# Allegro board ZDRK-36-DE3-A02-20190729.brd (continued)
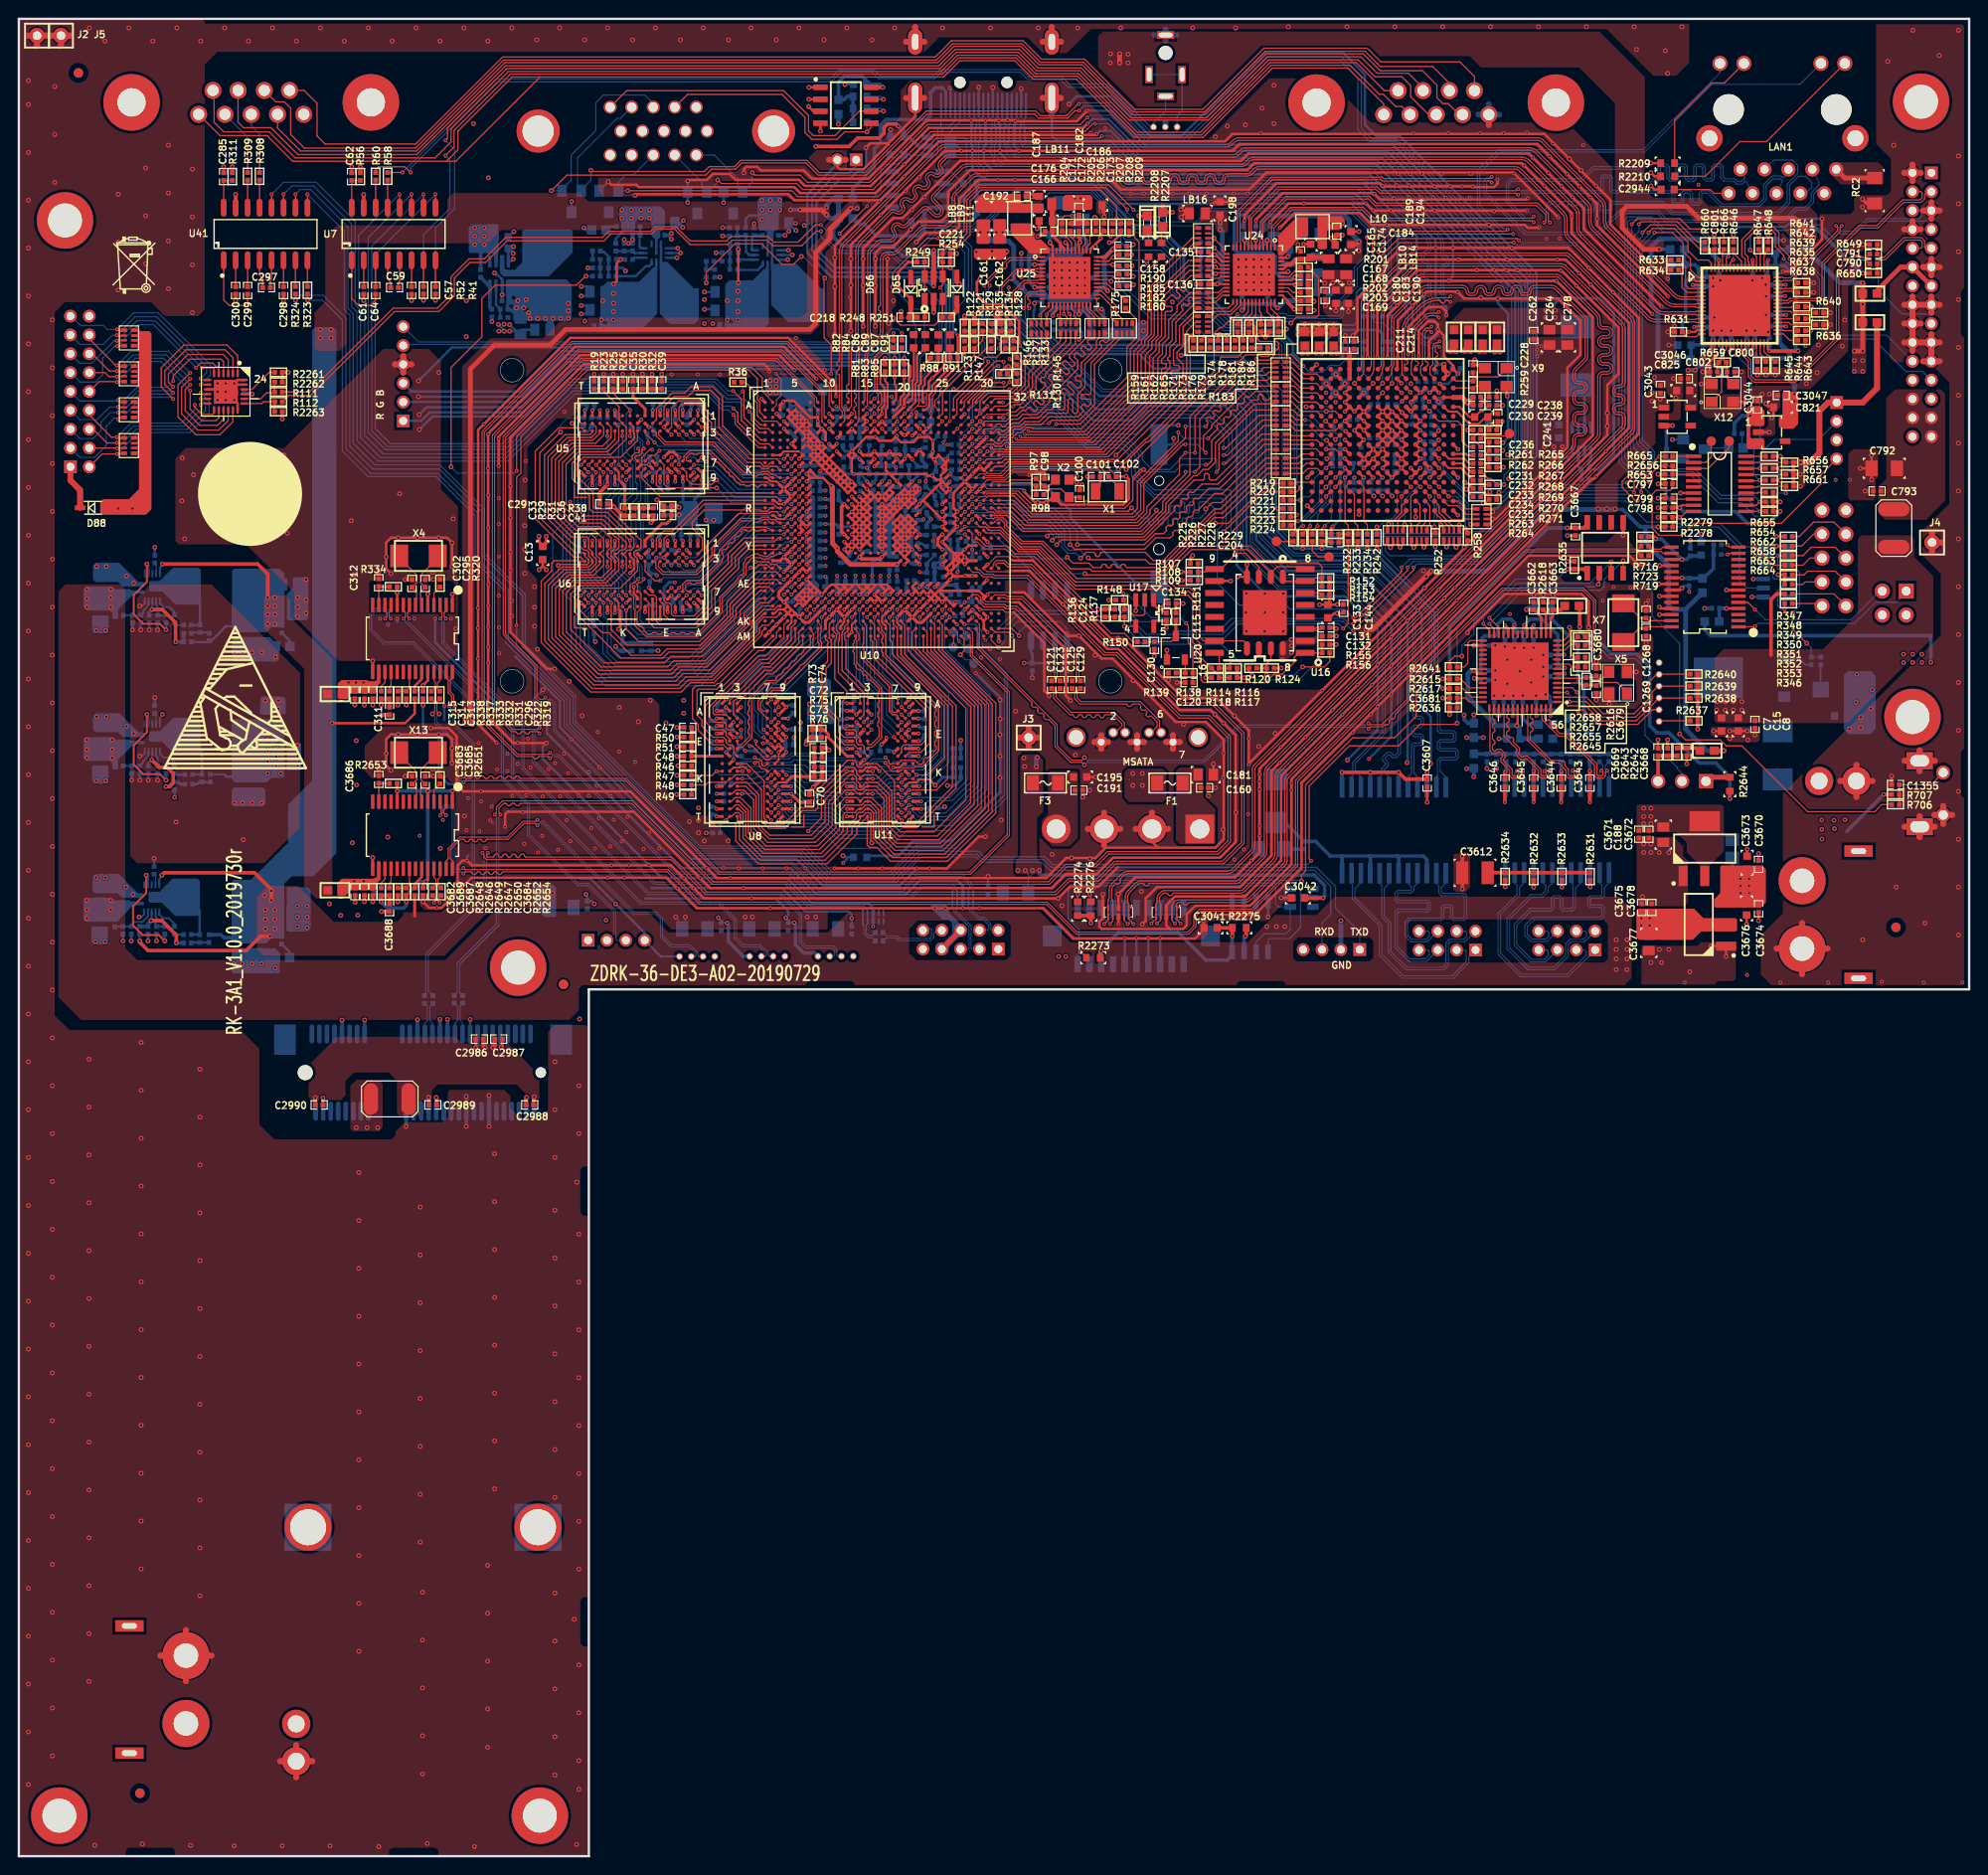
[diagram p0: board, top side]
## Footprints (pads in the part's own frame, mm; a bottom-side part is the same pattern mirrored in y, then rotated) (continued)
CN_SATA_HOST
  round 2.032 hole 1.524: (-10.29,0.5) (2.67,0.5)
  rect 1.041x1.041 hole 0.737: 1(0,0)
  round 1.041 hole 0.737: 2(-1.27,1) 3(-2.54,1) 4(-3.81,0) 5(-5.08,1) 6(-6.35,1) 7(-7.62,0)
CON1X2PD2
  rect 1.35x1.35 hole 0.85: 1(0,0)
  round 1.35 hole 0.85: 2(2,0)
CON1X3P_2_54MM
  rect 1.524x1.524 hole 1.016: 1(-2.54,0)
  round 1.524 hole 1.016: 2(0,0) 3(2.54,0)
CON1X3PD1_25
  round 0.711 hole 0.508: 1(0,0) 2(1.25,0) 3(2.5,0)
CON1X4P_125MM
  round 0.711 hole 0.508: 1(32.5,58.75) 2(33.75,58.75) 3(35,58.75) 4(36.25,58.75)
CON1X4PD2
  rect 1.35x1.35 hole 0.85: 1(0,0)
  round 1.35 hole 0.85: 2(2.007,0) 3(3.988,0) 4(5.994,0)
CON1X6PD1_25
  round 0.711 hole 0.508: 1(0,0) 2(1.25,0) 3(2.5,0) 4(3.75,0) 5(5,0) 6(6.25,0)
CON1X6PD2
  rect 1.35x1.35 hole 0.85: 1(0,0)
  round 1.35 hole 0.85: 2(2,0) 3(4,0) 4(6,0) 5(8,0) 6(10,0)
CON2X2P-254MM
  rect 1.6x1.6 hole 0.94: 1(0,0)
  round 1.6 hole 0.94: 2(0,2.54) 3(2.54,0) 4(2.54,2.54)
CON2X4PD2MM
  rect 1.35x1.35 hole 0.85: 1(0,0)
  round 1.35 hole 0.85: 2(0,2) 3(2,0) 4(2,2) 5(4,0) 6(4,2) 7(6,0) 8(6,2)
CON2X5PD2
  rect 1.35x1.35 hole 0.85: 1(0,0)
  round 1.35 hole 0.85: 2(0,2) 3(2,0) 4(2,2) 5(4,0) 6(4,2) 7(6,0) 8(6,2) 9(8,0) 10(8,2)
CON2X5PD254
  round 1.6 hole 1: 1(-5.08,-1.27) 2(-5.08,1.27) 3(-2.54,-1.27) 4(-2.54,1.27) 5(0,-1.27) 6(0,1.27) 7(2.54,-1.27) 8(2.54,1.27) 9(5.08,-1.27) 10(5.08,1.27)
CON2X9PD2
  rect 1.35x1.35 hole 0.85: 1(-8,-1)
  round 1.35 hole 0.85: 2(-8,1) 3(-6,-1) 4(-6,1) 5(-4,-1) 6(-4,1) 7(-2,-1) 8(-2,1) 9(0,-1) 10(0,1) 11(2,-1) 12(2,1) 13(4,-1) 14(4,1) 15(6,-1) 16(6,1) 17(8,-1) 18(8,1)
CON_DIP_PJ2010B
  round 1.5 hole 1.5 unplated: (0,0)
  rect 1.8x0.8 hole 1.5x0.5: 1(2.3,-1.75) 3(2.3,1.75)
  rect 0.8x1.8 hole 0.5x1.5: 2(4.6,0) 6(-1.9,0)
CR1220
  rect 3.52x1.87 smd: 1(7.75,0)
  rect 4.32x1.82 smd: 2(-7.35,0)
D-PACK
  rect 1.1x1.3 smd: 1(-2,-7) 3(2,-7)
  rect 4.32x5.21 smd: 2(0,0)
DB15-3RF-A
  round 1.372 hole 1.016: 1(0,0) 2(-2.286,0) 3(-4.572,0) 4(-6.858,0) 5(-9.144,0) 6(1.143,-2.54) 7(-1.143,-2.54) 8(-3.429,-2.54) 9(-5.715,-2.54) 10(-8.001,-2.54) 11(0,-5.08) 12(-2.286,-5.08) 13(-4.572,-5.08) 14(-6.858,-5.08) 15(-9.144,-5.08)
  round 4.572 hole 3.302: 16(-16.789,-2.54) 17(8.204,-2.54)
DSUB9_MALE_90
  round 1.8 hole 1.2: 1(5.58,-1.27) 2(2.79,-1.27) 3(0,-1.27) 4(-2.79,-1.27) 5(-5.58,-1.27) 6(4.06,1.27) 7(1.395,1.27) 8(-1.395,1.27) 9(-4.06,1.27)
  round 6 hole 3: 10(-12.7,0) 11(12.7,0)
HSL1008
  rect 0.94x1.905 smd: 1(-1.029,0) 2(1.029,0)
HSOD323A
  rect 1.118x0.508 smd: 1(1.372,0) 2(-1.372,0)
HSX2-0302
  rect 1.016x1.778 smd: 1(-1.25,0) 2(1.25,0)
HSX4-0302B
  rect 1.067x0.965 smd: 1(-0.927,-0.727) 2(0.927,-0.727) 3(0.927,0.727) 4(-0.927,0.727)
ID-BOARD
  round 1.016 smd: 1(0,0)
LB0603
  rect 0.94x0.889 smd: 1(-0.762,0) 2(0.762,0)
LB0805
  rect 1.346x1.448 smd: 1(-0.973,0) 2(0.973,0)
LED0603
  rect 1x1 smd: A(0.762,0) C(-0.762,0)
LQFN65_0_4
  rect 0.2x0.8 smd: 1(-3,-4) 2(-2.6,-4) 3(-2.2,-4) 4(-1.8,-4) 5(-1.4,-4) 6(-1,-4) 7(-0.6,-4) 8(-0.2,-4) 9(0.2,-4) 10(0.6,-4) 11(1,-4) 12(1.4,-4) 13(1.8,-4) 14(2.2,-4) 15(2.6,-4) 16(3,-4) 33(3,4) 34(2.6,4) 35(2.2,4) 36(1.8,4) 37(1.4,4) 38(1,4) 39(0.6,4) 40(0.2,4) 41(-0.2,4) 42(-0.6,4) 43(-1,4) 44(-1.4,4) 45(-1.8,4) 46(-2.2,4) 47(-2.6,4) 48(-3,4)
  rect 0.8x0.2 smd: 17(4,-3) 18(4,-2.6) 19(4,-2.2) 20(4,-1.8) 21(4,-1.4) 22(4,-1) 23(4,-0.6) 24(4,-0.2) 25(4,0.2) 26(4,0.6) 27(4,1) 28(4,1.4) 29(4,1.8) 30(4,2.2) 31(4,2.6) 32(4,3) 49(-4,3) 50(-4,2.6) 51(-4,2.2) 52(-4,1.8) 53(-4,1.4) 54(-4,1) 55(-4,0.6) 56(-4,0.2) 57(-4,-0.2) 58(-4,-0.6) 59(-4,-1) 60(-4,-1.4) 61(-4,-1.8) 62(-4,-2.2) 63(-4,-2.6) 64(-4,-3)
  rect 6.5x6.5 smd: 65(0,0)
MARK
  round 1.016 smd: 1(0,0)
MINIPCIE-HT
  round 1.6 hole 1.6 unplated: (-12.5,0)
  round 1.118 hole 1.118 unplated: (12.5,0)
  oval 0.508x2.032 smd: 1(-11.8,-4.1) 2(-11.4,4.1) 3(-11,-4.1) 4(-10.6,4.1) 5(-10.2,-4.1) 6(-9.8,4.1) 7(-9.4,-4.1) 8(-9,4.1) 9(-8.6,-4.1) 10(-8.2,4.1) 11(-7.8,-4.1) 12(-7.4,4.1) 13(-7,-4.1) 14(-6.6,4.1) 15(-6.2,-4.1) 16(-5.8,4.1) 17(-2.2,-4.1) 18(-1.8,4.1) 19(-1.4,-4.1) 20(-1,4.1) 21(-0.6,-4.1) 22(-0.2,4.1) 23(0.2,-4.1) 24(0.6,4.1) 25(1,-4.1) 26(1.4,4.1) 27(1.8,-4.1) 28(2.2,4.1) 29(2.6,-4.1) 30(3,4.1) 31(3.4,-4.1) 32(3.8,4.1) 33(4.2,-4.1) 34(4.6,4.1) 35(5,-4.1) 36(5.4,4.1) 37(5.8,-4.1) 38(6.2,4.1) 39(6.6,-4.1) 40(7,4.1) 41(7.4,-4.1) 42(7.8,4.1) 43(8.2,-4.1) 44(8.6,4.1) 45(9,-4.1) 46(9.4,4.1) 47(9.8,-4.1) 48(10.2,4.1) 49(10.6,-4.1) 50(11,4.1) 51(11.4,-4.1) 52(11.8,4.1)
  round 5 hole 3.81: H3(-12.2,48.25) H4(12.2,48.25)
  rect 2.311x3.2 smd: P1(-14.65,-3.5) P2(14.65,-3.5)
MLF48A-040-0606L
  rect 0.203x0.61 smd: 1(-2.2,-2.879) 2(-1.8,-2.879) 3(-1.4,-2.879) 4(-1,-2.879) 5(-0.6,-2.879) 6(-0.2,-2.879) 7(0.2,-2.879) 8(0.6,-2.879) 9(1,-2.879) 10(1.4,-2.879) 11(1.8,-2.879) 12(2.2,-2.879) 25(2.2,2.879) 26(1.8,2.879) 27(1.4,2.879) 28(1,2.879) 29(0.6,2.879) 30(0.2,2.879) 31(-0.2,2.879) 32(-0.6,2.879) 33(-1,2.879) 34(-1.4,2.879) 35(-1.8,2.879) 36(-2.2,2.879)
  rect 0.61x0.203 smd: 13(2.879,-2.2) 14(2.879,-1.8) 15(2.879,-1.4) 16(2.879,-1) 17(2.879,-0.6) 18(2.879,-0.2) 19(2.879,0.2) 20(2.879,0.6) 21(2.879,1) 22(2.879,1.4) 23(2.879,1.8) 24(2.879,2.2) 37(-2.879,2.2) 38(-2.879,1.8) 39(-2.879,1.4) 40(-2.879,1) 41(-2.879,0.6) 42(-2.879,0.2) 43(-2.879,-0.2) 44(-2.879,-0.6) 45(-2.879,-1) 46(-2.879,-1.4) 47(-2.879,-1.8) 48(-2.879,-2.2)
  rect 4.445x4.445 smd: 49(0,0)
MOLEX_47151
  round 1.219 hole 1.219 unplated: (-2.5,2.096) (2.5,2.096)
  oval 0.254x2.667 smd: 1(4.5,4.508) 2(4,4.508) 3(3.5,4.508) 4(3,4.508) 5(2.5,4.508) 6(2,4.508) 7(1.5,4.508) 8(1,4.508) 9(0.5,4.508) 10(0,4.508) 11(-0.5,4.508) 12(-1,4.508) 13(-1.5,4.508) 14(-2,4.508) 15(-2.5,4.508) 16(-3,4.508) 17(-3.5,4.508) 18(-4,4.508) 19(-4.5,4.508)
  oval 1.524x3.302 hole 0.711x2.718: 20(-7.25,3.746) 21(7.25,3.746)
  oval 1.524x2.718 hole 0.711x1.702: 22(-7.25,-2.214) 23(7.25,-2.214)
PH-4P
  rect 1.35x1.35 hole 0.85: 1(0,0)
  round 1.35 hole 0.85: 2(2,0) 3(4,0) 4(6,0)
PHD-30P
  rect 1.35x1.35 hole 0.85: 1(-14,-1)
  round 1.35 hole 0.85: 2(-14,1) 3(-12,-1) 4(-12,1) 5(-10,-1) 6(-10,1) 7(-8,-1) 8(-8,1) 9(-6,-1) 10(-6,1) 11(-4,-1) 12(-4,1) 13(-2,-1) 14(-2,1) 15(0,-1) 16(0,1) 17(2,-1) 18(2,1) 19(4,-1) 20(4,1) 21(6,-1) 22(6,1) 23(8,-1) 24(8,1) 25(10,-1) 26(10,1) 27(12,-1) 28(12,1) 29(14,-1) 30(14,1)
QFN12-050-0302A
  rect 0.7x0.25 smd: 1(-0.95,0.5) 2(-0.95,0) 3(-0.95,-0.5) 7(0.95,-0.5) 8(0.95,0) 9(0.95,0.5)
  rect 0.25x0.9 smd: 4(-0.5,-1.35) 5(0,-1.35) 6(0.5,-1.35) 10(0.5,1.35) 11(0,1.35) 12(-0.5,1.35)
  rect 0.4x0.25 smd: 13(0,0)
QFN16-8765
  rect 0.762x0.203 smd: 1(-1.25,0.525) 2(-1.25,-0.175) 8(1.25,-0.525) 9(1.25,0.175)
  rect 0.203x0.762 smd: 3(-0.8,-1.45) 4(-0.4,-1.45) 5(0,-1.45) 6(0.4,-1.45) 7(0.8,-1.45) 10(0.8,1.45) 11(0.4,1.45) 12(0,1.45) 13(-0.4,1.45) 14(-0.8,1.45)
  rect 0.66x0.203 smd: 15(0,0.165) 16(0,-0.435)
QFN24G
  oval 0.254x0.813 smd: 1(-1.25,-1.937) 2(-0.75,-1.937) 3(-0.25,-1.937) 4(0.25,-1.937) 5(0.75,-1.937) 6(1.25,-1.937) 13(1.25,1.937) 14(0.75,1.937) 15(0.25,1.937) 16(-0.25,1.937) 17(-0.75,1.937) 18(-1.25,1.937)
  oval 0.813x0.254 smd: 7(1.937,-1.25) 8(1.937,-0.75) 9(1.937,-0.25) 10(1.937,0.25) 11(1.937,0.75) 12(1.937,1.25) 19(-1.937,1.25) 20(-1.937,0.75) 21(-1.937,0.25) 22(-1.937,-0.25) 23(-1.937,-0.75) 24(-1.937,-1.25)
  rect 2.54x2.54 smd: 25(0,0)
QFN57C_1H10
  oval 0.889x0.254 smd: 1(-3.937,3.25) 2(-3.937,2.75) 3(-3.937,2.25) 4(-3.937,1.75) 5(-3.937,1.25) 6(-3.937,0.75) 7(-3.937,0.25) 8(-3.937,-0.25) 9(-3.937,-0.75) 10(-3.937,-1.25) 11(-3.937,-1.75) 12(-3.937,-2.25) 13(-3.937,-2.75) 14(-3.937,-3.25) 29(3.937,-3.25) 30(3.937,-2.75) 31(3.937,-2.25) 32(3.937,-1.75) 33(3.937,-1.25) 34(3.937,-0.75) 35(3.937,-0.25) 36(3.937,0.25) 37(3.937,0.75) 38(3.937,1.25) 39(3.937,1.75) 40(3.937,2.25) 41(3.937,2.75) 42(3.937,3.25)
  oval 0.254x0.889 smd: 15(-3.25,-3.937) 16(-2.75,-3.937) 17(-2.25,-3.937) 18(-1.75,-3.937) 19(-1.25,-3.937) 20(-0.75,-3.937) 21(-0.25,-3.937) 22(0.25,-3.937) 23(0.75,-3.937) 24(1.25,-3.937) 25(1.75,-3.937) 26(2.25,-3.937) 27(2.75,-3.937) 28(3.25,-3.937) 43(3.25,3.937) 44(2.75,3.937) 45(2.25,3.937) 46(1.75,3.937) 47(1.25,3.937) 48(0.75,3.937) 49(0.25,3.937) 50(-0.25,3.937) 51(-0.75,3.937) 52(-1.25,3.937) 53(-1.75,3.937) 54(-2.25,3.937) 55(-2.75,3.937) 56(-3.25,3.937)
  rect 6.096x6.096 smd: 57(0,0)
RPAK8-10X25-28V
  rect 0.406x0.635 smd: 1(-0.823,-0.521) 4(0.823,-0.521) 5(0.823,0.521) 8(-0.823,0.521)
  rect 0.254x0.635 smd: 2(-0.249,-0.521) 3(0.249,-0.521) 6(0.249,0.521) 7(-0.249,0.521)
SC0402
  rect 0.508x0.508 smd: 1(-0.406,0) 2(0.406,0)
SC0603
  rect 0.762x0.813 smd: 1(-0.699,0) 2(0.699,0)
SC0805
  rect 0.991x1.27 smd: 1(-0.813,0) 2(0.813,0)
SC1206
  rect 1.295x1.651 smd: 1(-1.346,0) 2(1.346,0)
SC1210
  rect 1.295x2.413 smd: 1(-1.346,0) 2(1.346,0)
SD1710A
  rect 1.727x1.676 smd: 1(-1.93,0) 2(1.93,0)
SD1714D
  rect 2.286x2.286 smd: 1(-2.286,0) 2(2.286,0)
SF1206
  rect 1.295x1.651 smd: 1(-1.346,0) 2(1.346,0)
SF1812
  oval 1.524x3.353 smd: 1(-2,0) 2(2,0)
SF6127
  rect 2.286x3.175 smd: 1(-2.54,0) 2(2.54,0)
SIP-1P
  round 1.651 hole 0.914: 1(0,0)
SIP-4P-200
  rect 3.048x3.048 hole 2.032: 1(-7.62,0.127)
  round 3.048 hole 2.032: 2(-2.54,0.127) 3(2.54,0.127) 4(7.62,0.127)
SL0402
  rect 0.483x0.508 smd: 1(-0.394,0) 2(0.394,0)
SL0603
  rect 0.94x0.889 smd: 1(-0.762,0) 2(0.762,0)
SL0805
  rect 0.94x1.27 smd: 1(-0.851,0) 2(0.851,0)
SLP2710P8
  rect 0.2x0.675 smd: 1(-1.1,-0.437) 2(-0.6,-0.437) 3(0.6,-0.437) 4(1.1,-0.437) 5(1.1,0.437) 6(0.6,0.437) 7(-0.6,0.437) 8(-1.1,0.437)
  rect 0.4x0.675 smd: 9(0,-0.437) 10(0,0.437)
SMT2X10P-125MM
  rect 2x2.2 smd: (-5.35,0) (11.43,0)
  rect 0.7x1.7 smd: 1(-2.5,3) 2(-2.5,-3) 3(-1.25,3) 4(-1.25,-3) 5(0,3) 6(0,-3) 7(1.25,3) 8(1.25,-3) 9(2.5,3) 10(2.5,-3) 11(3.75,3) 12(3.75,-3) 13(5,3) 14(5,-3) 15(6.25,3) 16(6.25,-3) 17(7.5,3) 18(7.5,-3) 19(8.75,3) 20(8.75,-3)
SO8
  oval 2.032x0.66 smd: 1(-2.667,1.905) 2(-2.667,0.635) 3(-2.667,-0.635) 4(-2.667,-1.905) 5(2.667,-1.905) 6(2.667,-0.635) 7(2.667,0.635) 8(2.667,1.905)
SOP8
  rect 1.55x0.6 smd: 1(-2.7,1.905) 2(-2.7,0.635) 3(-2.7,-0.635) 4(-2.7,-1.905) 5(2.7,-1.905) 6(2.7,-0.635) 7(2.7,0.635) 8(2.7,1.905)
SOP16
  oval 1.905x0.61 smd: 1(-2.54,5.08) 2(-2.54,3.81) 3(-2.54,2.54) 4(-2.54,1.27) 5(-2.54,0) 6(-2.54,-1.27) 7(-2.54,-2.54) 8(-2.54,-3.81) 9(3.048,-3.81) 10(3.048,-2.54) 11(3.048,-1.27) 12(3.048,0) 13(3.048,1.27) 14(3.048,2.54) 15(3.048,3.81) 16(3.048,5.08)
SOP16-50-300A
  rect 0.635x1.981 smd: 1(-4.445,-4.813) 2(-3.175,-4.813) 3(-1.905,-4.813) 4(-0.635,-4.813) 5(0.635,-4.813) 6(1.905,-4.813) 7(3.175,-4.813) 8(4.445,-4.813) 9(4.445,4.813) 10(3.175,4.813) 11(1.905,4.813) 12(0.635,4.813) 13(-0.635,4.813) 14(-1.905,4.813) 15(-3.175,4.813) 16(-4.445,4.813)
SOP28
  rect 0.356x1.524 smd: 1(-4.225,-3.556) 2(-3.575,-3.556) 3(-2.925,-3.556) 4(-2.275,-3.556) 5(-1.625,-3.556) 6(-0.975,-3.556) 7(-0.325,-3.556) 8(0.325,-3.556) 9(0.975,-3.556) 10(1.625,-3.556) 11(2.275,-3.556) 12(2.925,-3.556) 13(3.575,-3.556) 14(4.225,-3.556) 15(4.225,3.556) 16(3.575,3.556) 17(2.925,3.556) 18(2.275,3.556) 19(1.625,3.556) 20(0.975,3.556) 21(0.325,3.556) 22(-0.32,3.556) 23(-0.975,3.556) 24(-1.625,3.556) 25(-2.275,3.556) 26(-2.925,3.556) 27(-3.575,3.556) 28(-4.225,3.556)
SOT23
  rect 1.016x1.27 smd: 1(-1.016,-1.143) 2(1.016,-1.143) 3(0,1.143)
SOT23-5
  rect 0.61x1.118 smd: 1(-1,-1.4) 2(-0.05,-1.4) 3(0.9,-1.4) 4(0.9,1.45) 5(-1,1.45)
SOT23-5B
  rect 0.508x1.422 smd: 1(-0.953,-1.397) 2(0,-1.397) 3(0.953,-1.397) 4(0.953,1.397) 5(-0.953,1.397)
SOT23-6L
  rect 0.635x1.27 smd: 1(-0.95,-1.2) 2(0,-1.2) 3(0.95,-1.2) 4(0.95,1.2) 5(0,1.2) 6(-0.95,1.2)
SOT23B
  rect 0.66x1.118 smd: 1(-0.95,-1.251) 2(0.95,-1.251) 3(0,1.251)
SOT-223
  rect 2.15x0.95 smd: 1(-2.9,2.3) 2(-2.9,0) 3(-2.9,-2.3)
  rect 2.15x3.25 smd: 4(2.9,0)
SPL0707G
  rect 2.489x3.404 smd: 1(-3.094,0) 2(3.094,0)
SR0402
  rect 0.508x0.508 smd: 1(-0.406,0) 2(0.406,0)
SR0603
  rect 0.711x0.813 smd: 1(-0.737,0) 2(0.737,0)
SR1206
  rect 1.295x1.6 smd: 1(-1.346,0) 2(1.346,0)
STFM24-40-280
  rect 0.508x2.184 smd: 1(-5.5,-4.56) 2(-4.5,-4.56) 3(-3.5,-4.56) 4(-2.5,-4.56) 5(-1.5,-4.56) 6(-0.5,-4.56) 7(0.5,-4.56) 8(1.5,-4.56) 9(2.5,-4.56) 10(3.5,-4.56) 11(4.5,-4.56) 12(5.5,-4.56) 13(5.5,4.56) 14(4.5,4.56) 15(3.5,4.56) 16(2.5,4.56) 17(1.5,4.56) 18(0.5,4.56) 19(-0.5,4.56) 20(-1.5,4.56) 21(-2.5,4.56) 22(-3.5,4.56) 23(-4.5,4.56) 24(-5.5,4.56)
SW_90
  round 1.5 hole 1: 1(1.5,2.25) 2(1.5,-2.25)
  rect 2.8x1.8 hole 2x1.2: 3(-1,3.5) 4(-1,-3.5)
TH-CN-254X254P-14N-HR911130C1
  round 3.25 hole 3.25 unplated: (-3.82,-3.81) (7.61,-3.81)
  round 1.5 hole 0.9: 1(-3.82,5.08) 2(-2.55,2.54) 3(-1.28,5.08) 4(-0.01,2.54) 5(1.26,5.08) 6(2.53,2.54) 7(3.8,5.08) 8(5.07,2.54) 9(6.34,5.08) 10(7.61,2.54)
  round 1.6 hole 1.1: 11(-4.73,-8.71) 12(-2.19,-8.71) 13(5.98,-8.71) 14(8.52,-8.71)
  round 2.8 hole 1.7: E1(-5.85,-0.76) E2(9.64,-0.76)
TP24-SMD
  round 0.61 smd: 1(0,0)
TSOT23-8
  rect 0.356x1.27 smd: 1(-0.975,-1.275) 2(-0.325,-1.275) 3(0.325,-1.275) 4(0.975,-1.275) 5(0.975,1.275) 6(0.325,1.275) 7(-0.325,1.275) 8(-0.975,1.275)
TSSOP20
  rect 1.651x0.356 smd: 1(-2.781,2.925) 2(-2.781,2.275) 3(-2.781,1.625) 4(-2.781,0.975) 5(-2.781,0.325) 6(-2.781,-0.325) 7(-2.781,-0.975) 8(-2.781,-1.625) 9(-2.781,-2.275) 10(-2.781,-2.925) 11(2.781,-2.925) 12(2.781,-2.275) 13(2.781,-1.625) 14(2.781,-0.975) 15(2.781,-0.325) 16(2.781,0.325) 17(2.781,0.975) 18(2.781,1.625) 19(2.781,2.275) 20(2.781,2.925)
unnamed#2
  round 1.016 smd: 1(0,0)
VH-2A
  round 3 hole 1.8: 1(-7.92,0) 2(-3.96,0)
WSON8-MX25L12835ZN
  oval 0.635x1.524 smd: 1(-1.905,-3.8) 2(-0.635,-3.8) 3(0.635,-3.8) 4(1.905,-3.8) 5(1.905,3.8) 6(0.635,3.8) 7(-0.635,3.8) 8(-1.905,3.8)
  rect 4.648x4.75 smd: 9(0,0)
XT60PW-M
  rect 1.2x3 hole 0.6x1.6: (1,8) (14.5,8)
  round 5 hole 2.6: 1(4.15,14) 2(11.35,14)
XT3225
  rect 1.3x1.1 smd: 1(-1.15,-0.95) 2(1.15,-0.95) 3(1.15,0.95) 4(-1.15,0.95)
ZDRK3
  round 6 hole 3.6: 1(4.3,4.3) 2(55.3,4.3) 3(53,94.3) 4(4.9,173.6) 5(201,120.9) 6(201.9,186.2)

## Nets
1V5: C9.1(A) C13.1(A) C17.1(A) C20.1(A) C29.1(A) C36.1(A) C39.1(A) C47.1(A) C70.1(A) C72.1(A) C352.1(A) C365.1(A) C375.1(A) C376.1(A) C383.1(A) C396.1(A) C400.1(A) C401.1(A) C407.1(A) C416.1(A) C417.1(A) C419.1(A) C420.1(A) C421.1(A) C422.1(A) C426.1(A) C429.1(A) C430.1(A) C431.1(A) C433.1(A) C437.1(A) C438.1(A) C440.1(A) C445.1(A) C446.1(A) C447.1(A) C448.1(A) C449.1(A) C450.1(A) C451.1(A) C452.1(A) C453.1(A) C454.1(A) C458.1(A) C460.1(A) C461.1(A) C462.1(A) C464.1(A) C467.1(A) C468.1(A) C469.1(A) C470.1(A) C471.1(A) C472.1(A) C474.1(A) C475.1(A) C476.1(A) C477.1(A) C478.1(A) C479.1(A) C480.1(A) C481.1(A) C482.1(A) C483.1(A) C484.1(A) C485.1(A) C486.1(A) C487.1(A) C488.1(A) C489.1(A) C490.1(A) C491.1(A) C492.1(A) C493.1(A) C494.1(A) C495.1(A) C496.1(A) C497.1(A) C498.1(A) C499.1(A) C500.1(A) C502.1(A) C503.1(A) C504.1(A) L1.2(B) R12.2(B) R19.1(A) R26.1(A) R31.1(A) R32.1(A) R46.1(A) R49.1(A) R50.1(A) R75.1(A) R384.1(A) R403.1(A) R407.1(A) R408.1(A) R409.1(A) R414.1(A) U3.5(OUT) U5.A1(VDDQ1) U5.A8(VDDQ2) U5.B2(VDD1) U5.C1(VDDQ3) U5.C9(VDDQ4) U5.D2(VDDQ5) U5.D9(VDD2) U5.E9(VDDQ6) U5.F1(VDDQ7) U5.G7(VDD3) U5.H2(VDDQ8) U5.H9(VDDQ9) U5.K2(VDD4) U5.K8(VDD5) U5.N1(VDD6) U5.N9(VDD7) U5.R1(VDD8) U5.R9(VDD9) U6.A1(VDDQ1) U6.A8(VDDQ2) U6.B2(VDD1) U6.C1(VDDQ3) U6.C9(VDDQ4) U6.D2(VDDQ5) U6.D9(VDD2) U6.E9(VDDQ6) U6.F1(VDDQ7) U6.G7(VDD3) U6.H2(VDDQ8) U6.H9(VDDQ9) U6.K2(VDD4) U6.K8(VDD5) U6.N1(VDD6) U6.N9(VDD7) U6.R1(VDD8) U6.R9(VDD9) U8.A1(VDDQ1) U8.A8(VDDQ2) U8.B2(VDD1) U8.C1(VDDQ3) U8.C9(VDDQ4) U8.D2(VDDQ5) U8.D9(VDD2) U8.E9(VDDQ6) U8.F1(VDDQ7) U8.G7(VDD3) U8.H2(VDDQ8) U8.H9(VDDQ9) U8.K2(VDD4) U8.K8(VDD5) U8.N1(VDD6) U8.N9(VDD7) U8.R1(VDD8) U8.R9(VDD9) U10.AA7(VDDIO_DDR_6) U10.AB7(VDDIO_DDR_1) U10.AD7(VDDIO_DDR_7) U10.AE7(VDDIO_DDR_8) U10.AF6(VDDIO_DDR_9) U10.AF7(VDDIO_DDR_10) U10.AF8(VDDIO_DDR_11) U10.AF9(VDDIO_DDR_12) U10.AF11(VDDIO_DDR_13) U10.AF12(VDDIO_DDR_14) U10.AF14(VDDIO_DDR_15) U10.AF15(VDDIO_DDR_16) U10.AF17(VDDIO_CK_DDR1) U10.AF18(VDDIO_DDR_17) U10.AG5(VDDIO_DDR_18) U10.AG6(VDDIO_DDR_19) U10.AG7(VDDIO_DDR_20) U10.AH5(VDDIO_DDR_21) U10.AH6(VDDIO_DDR_22) U10.N7(VDDIO_DDR_2) U10.R7(VDDIO_DDR_3) U10.T7(VDDIO_DDR_4) U10.V7(VDDIO_CK_DDR0) U10.W7(VDDIO_DDR_5) U11.A1(VDDQ1) U11.A8(VDDQ2) U11.B2(VDD1) U11.C1(VDDQ3) U11.C9(VDDQ4) U11.D2(VDDQ5) U11.D9(VDD2) U11.E9(VDDQ6) U11.F1(VDDQ7) U11.G7(VDD3) U11.H2(VDDQ8) U11.H9(VDDQ9) U11.K2(VDD4) U11.K8(VDD5) U11.N1(VDD6) U11.N9(VDD7) U11.R1(VDD8) U11.R9(VDD9)
1V8_DVI: C262.1(A) C264.1(A) C278.1(A) L14.2(B) LB22.1 LB23.1 LB24.1 LB25.1 R304.2 U38.5(OUT)
3V3: C24.2 C25.2 C31.2(B) C32.1(A) C34.1(A) C43.1(A) C44.1(A) C49.1(A) C52.1(A) C56.1(A) C58.1(A) C60.1(A) C63.1(A) C97.2(B) C115.1(A) C132.1(A) C133.1(A) C134.1(A) C144.1(A) C169.1(A) C173.1(A) C180.1(A) C182.1(A) C183.1(A) C186.1(A) C190.1(A) C193.1(A) C266.2 C267.2 C354.1(A) C358.1(A) C360.1(A) C361.1(A) C362.1(A) C364.1(A) C369.1(A) C373.1(A) C381.1(A) C382.1(A) C386.1(A) C390.1(A) C423.1(A) C427.1(A) C443.1(A) C444.1(A) D65.2(A) D91.C F23.1 L2.2(B) LB10.1 LB11.1 LB14.1 LB15.1 LB16.1 LB17.1 LB18.1 LB19.1 LB20.1 LB32.1 LB33.1 LB34.1 LB35.1 LB36.1 LB39.1 LB41.2 LB44.1 LB45.1 LB47.1 LB49.1 LB50.1 LB51.1 R17.1(A) R20.1(A) R33.1(A) R39.1 R40.1(A) R57.1(A) R65.1(A) R95.1(A) R96.1(A) R109.1(A) R113.1(A) R116.1(A) R117.1(A) R121.1(A) R124.1(A) R127.1(A) R128.1(A) R129.1(A) R130.1(A) R131.1(A) R151.1(A) R152.1(A) R153.1(A) R154.1(A) R155.1(A) R162.1(A) R165.1(A) R178.1(A) R179.1(A) R180.1(A) R181.2(B) R182.2(B) R184.1(A) R190.1(A) R203.1(A) R206.1(A) R209.1(A) R306.1(A) R371.2(B) R372.2(B) R373.2(B) R374.2(B) R376.2(B) R377.2(B) R378.2(B) R379.2(B) R382.1(A) R386.1(A) R389.1(A) R392.1(A) R2210.1 U2.7(VOUT) U3.2(IN) U4.8(VIN) U4.13(EXPAD) U9.8(VIN) U9.13(EXPAD) U10.AB19(DVDDIO_LS) U10.AE22(DVDD33_7) U10.AE23(DVDD33_1) U10.H12(DVDD33_8) U10.H13(DVDD33_9) U10.H23(DVDD33_3) U10.H24(DVDD33_2) U10.J17(DVDD33_10) U10.J25(DVDDIO_RGMII1_1) U10.K7(DVDD33_5) U10.K25(DVDDIO_RGMII1_2) U10.L7(DVDD33_4) U10.M19(DVDD33_VDAC) U10.M25(DVDDIO_RGMII0_1) U10.N25(DVDDIO_RGMII0_2) U10.R21(DVDD_OSC) U10.T25(DVDDIO_EMMC_2) U10.U25(DVDDIO_EMMC_1) U10.V25(DVDD33_6) U12.8(VCC) U16.2(VCC) U17.5(VCC) U18.8(VCC) U24.37(DVDD33_3) U25.37(DVDD33_3) U38.2(IN)
3V3_3G4G: C2986.1(A) C2987.1(A) C2988.1(A) C2989.1(A) C2990.1(A) F23.2 U13.2(3V3VAUX_P2) U13.24(3V3VAUX_P24) U13.39(3V3VAUX_P39) U13.41(3V3VAUX_P41) U13.52(3V3VAUX_P52)
3V3_232BD: C2880.2 LB141.2 U44.4(VCCIO)
3V3_BD: C80.1 C3048.1(A) C3049.1(A) C3050.1(A) C3052.1(A) C3055.1(A) C3059.1(A) C3060.2(B) D88.2(A) L16.2(B) LB31.2 LB70.1 LB126.1 LB127.1 LB128.1 LB129.1 LB140.2 LB141.1 R56.1 R311.1 R707.1 R2261.1 R2262.1 R2263.1 R2565.1(A) R2572.1 RN80.5 RN80.6 RN80.7 RN80.8 RN81.5 RN81.6 RN81.7 RN81.8 RN82.5 RN82.6 RN82.7 RN82.8 RN83.5 RN83.6 RN83.7 RN83.8 U103.21(VCC) U1493.7(VOUT)
3V3_MCU: C798.1 J116.1 LB129.2 R653.1 R654.1 R655.1 R656.1 R657.1 R658.1 R661.1 R662.1 R663.1 R664.1 U1492.9(VDD)
5V0: C634.1(A) C639.2(B) C641.1(A) C642.1(A) C643.1(A) C644.1(A) C645.1(A) C2991.2 C3042.2 C3043.1 C3044.1 D66.2(A) F3.1 F8.1 F11.1 F22.1 F24.1 F25.1 L49.2(B) LB52.1 LB132.2 LB142.1 LB143.2 LB144.2 R45.1 R331.1 R481.1(A) R2278.1 R2561.1 R2562.1 R2650.1 U33.5(VCC) U75.5(VCC) U108.5(VCC) U126.7(VOUT) U1489.1(VIN) U1489.3(EN) U1490.1(VIN) U1490.3(EN)
5V0_P: C2879.1 LB142.2 R718.1 R722.1 U44.20(VCC_5)
12V0: C4.1(A) C5.1(A) C7.1(A) C8.1(A) C11.1(A) C15.1(A) C636.1(A) C637.1(A) C638.1(A) C3051.1(A) C3057.1(A) C3058.1(A) F1.1 F39.1 Q2.2(D) R2.1(A) R353.2 R462.1(A) R2568.1(A) U2.1(VIN) U126.1(VIN) U1493.1(VIN)
+1.2V: C188.1 C3671.1 C3672.1 LB133.1 LB135.1 LB136.1 LB138.2 U61.2(VOUT) U61.4(PAD)
+2.5V: C3675.1 C3677.1 C3678.1 LB134.1 LB139.2 U1495.2(VOUT) U1495.4(PAD)
